# Altium PCB 2014_FDP_PCB.PcbDoc (part 1 of 4) (continued)
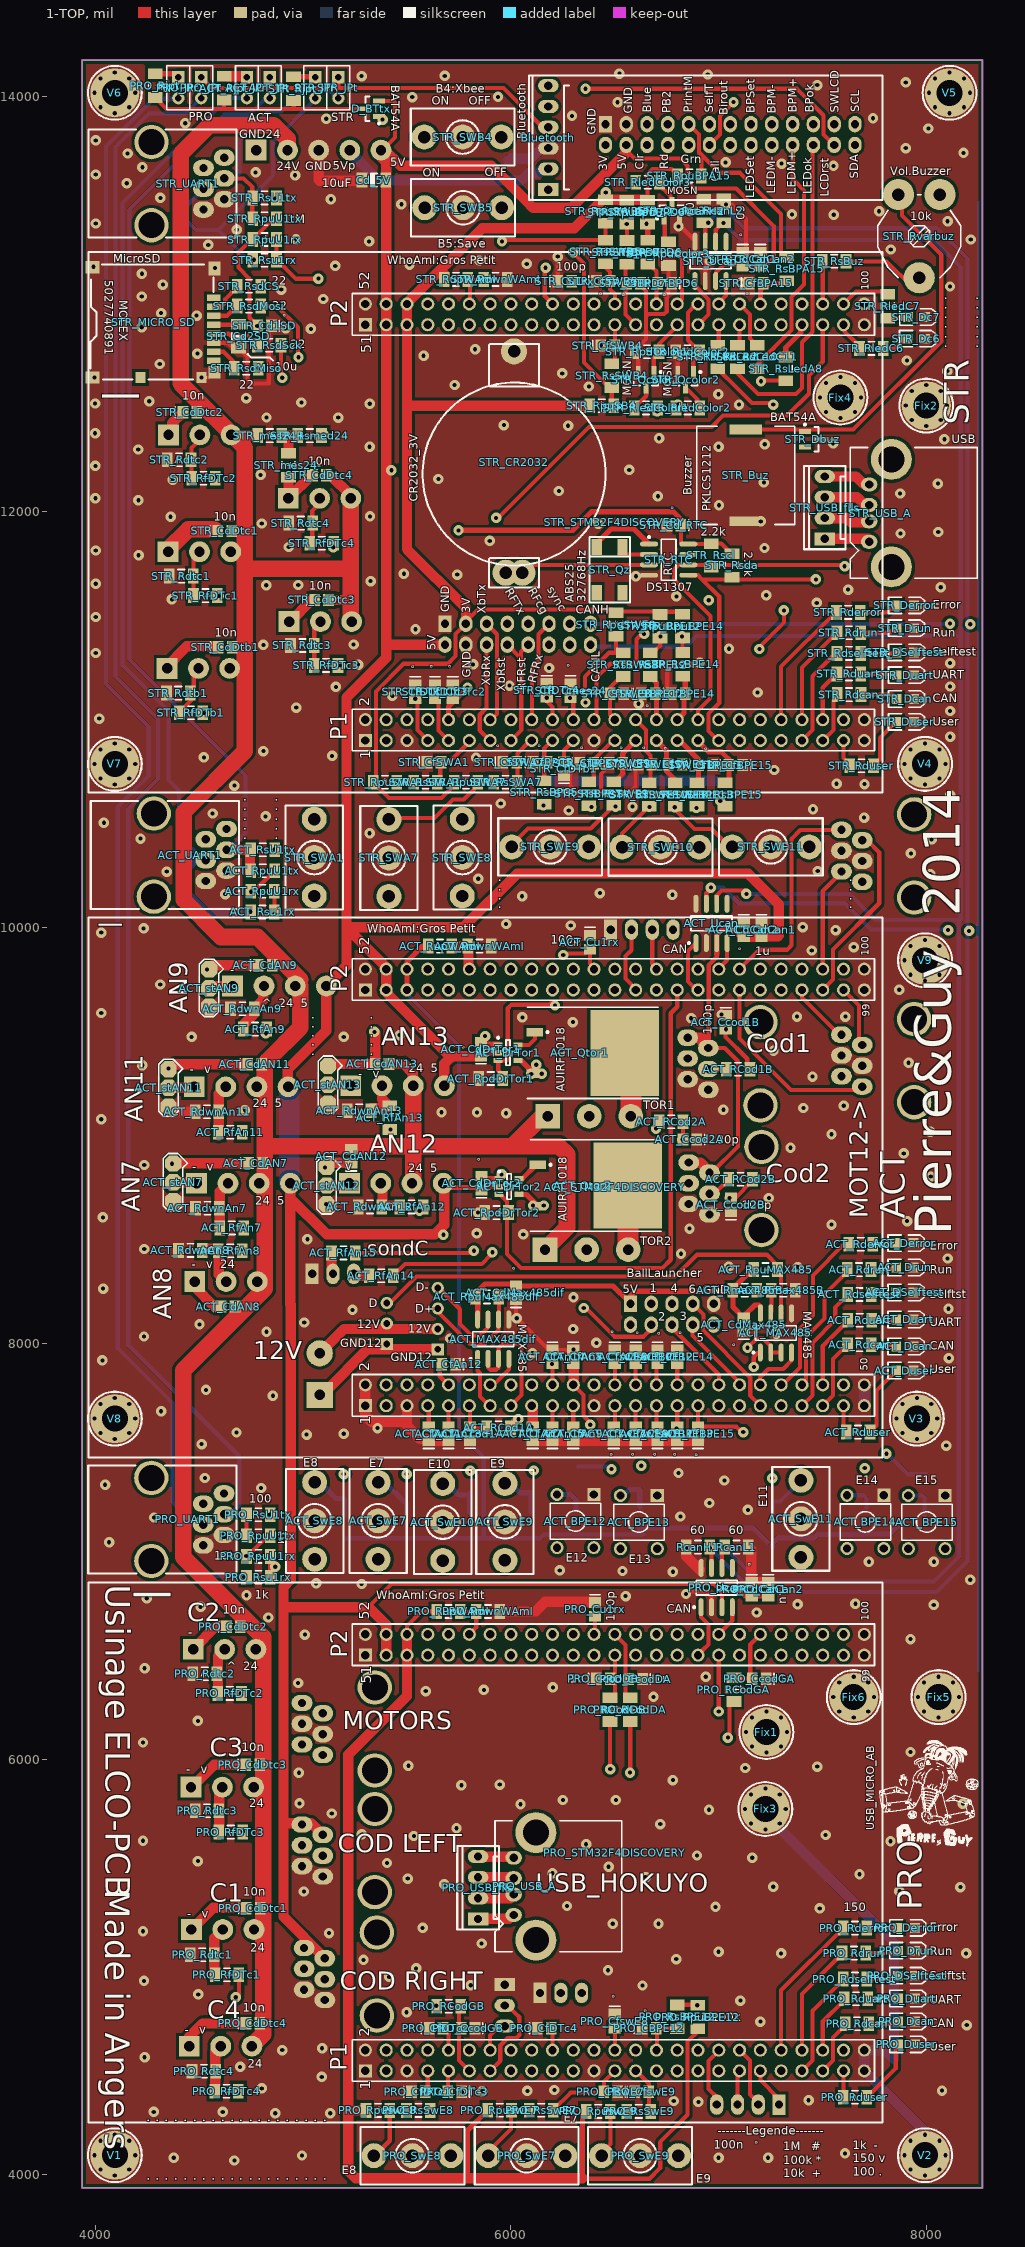
[diagram p0: 1-TOP view]
## Components (designator, comment, footprint, x,y, rotation, side; value= is the part's Value field where it differs from the comment)
12V "BORNIER2" BORNIER2 5080,7752 r90 bottom
ACT__Mot12 "RJ11_6/6" RJ11_6/6 7590,9285 r0 bottom
ACT_AN7 "4V_3.81MM" BORNIER_4V_3.81MM 4489.01,8770.01 r0 bottom
ACT_AN8 "B3V_3.81MM" BORNIER_3V_3.81MM 4480,8297 r0 bottom
ACT_AN9 "4V_3.81MM" BORNIER_4V_3.81MM 4662.01,9719.01 r0 bottom
ACT_AN11 "4V_3.81MM" BORNIER_4V_3.81MM 4478,9234 r0 bottom
ACT_AN12 "4V_3.81MM" BORNIER_4V_3.81MM 5224,8770 r0 bottom
ACT_AN13 "4V_3.81MM" BORNIER_4V_3.81MM 5230,9239 r0 bottom
ACT_AX12 "MOLEX 22-03-5035" MOLEX3_2.5MM 5403,8194 r270 bottom
ACT_BPE12 "BP?" "Switch 6x6 Vertical" 6399,7273 r270 top
ACT_BPE13 "BP?" "Switch 6x6 Vertical" 6704,7268 r270 top
ACT_BPE14 "BP?" "Switch 6x6 Vertical" 7794.01,7269.01 r270 top
ACT_BPE15 "BP?" "Switch 6x6 Vertical" 8089,7268 r270 top
ACT_Ccod1A "100pF" C0805_N 5803,7566 r90 top
ACT_Ccod1B "100pF" C0805_N 7033,9544 r270 top
ACT_Ccod2A "100pF" C0805_N 6861,8981 r180 top
ACT_Ccod2B "100pF" C0805_N 7059,8666 r90 top
ACT_CdAN7 "10nF" C0805_N 4772,8867 r0 top
ACT_CdAN8 "10nF" C0805_N 4639,8177 r0 top
ACT_CdAN9 "10nF" C0805_N 4818,9819 r0 top
ACT_CdAN11 "10nF" C0805_N 4768,9342 r0 top
ACT_CdAN12 "10nF" C0805_N 5232,8900 r90 top
ACT_CdAN13 "10nF" C0805_N 5380,9344 r0 top
ACT_CdCan1 "100nF" C0805_N 7205,9990 r270 top
ACT_CdCan2 "1µF" C0805_N 7120,9990 r270 top
ACT_CdDrTor1 "100nF" C0805_N 5856,9415 r90 top
ACT_CdDrTor2 "100nF" C0805_N 5859,8771 r90 top
ACT_CdMax485 "100nF" C0805_N 7120,8090 r90 top
ACT_CdMax485dif "100nF" C0805_N 6024,8243 r90 top
ACT_CfAn7 "var" C0805_N 6105,7565 r90 top
ACT_CfAn8 "var" C0805_N 6300,7935 r270 top
ACT_CfAn9 "var" C0805_N 6300,7565 r90 top
ACT_CfAn11 "var" C0805_N 5605,7565 r90 top
ACT_CfAn12 "var" C0805_N 5701,7899 r180 top
ACT_CfAn13 "var" C0805_N 5700,7565 r90 top
ACT_CfAn14 "var" C0805_N 6200,7935 r270 top
ACT_CfAn15 "var" C0805_N 6200,7565 r90 top
ACT_CfBPE12 "100nF" C0805_N 6705,7935 r270 top
ACT_CfBPE13 "100nF" C0805_N 6800,7565 r90 top
ACT_CfBPE14 "100nF" C0805_N 6800,7935 r270 top
ACT_CfBPE15 "100nF" C0805_N 6900,7565 r90 top
ACT_CfswE7 "100nF" C0805_N 6495,7565 r90 top
ACT_CfswE8 "100nF" C0805_N 6500,7935 r270 top
ACT_CfswE9 "100nF" C0805_N 6600,7565 r90 top
ACT_CfswE10 "100nF" C0805_N 6600,7935 r270 top
ACT_CfswE11 "100nF" C0805_N 6705,7565 r90 top
ACT_cod1 "CODEUR3" "RJ11_6/6 - DROIT" 6850,9270 r0 bottom
ACT_cod2 "CODEUR4" "RJ11_6/6 - DROIT" 6855,8670 r0 bottom
ACT_Cu1rx "100pF" C0805_N 6380,9930 r270 top
ACT_currentMot "BARRETTE3" HE14_3 5044,8334 r0 bottom
ACT_Dcan "CAN" LED_0805 7895.01,7985.01 r0 top
ACT_Derror "ERROR" LED_0805 7895.01,8482.01 r0 top
ACT_DrTor1 "MCP1416" SOT23-5AN 5986.01,9398.01 r0 top
ACT_DrTor2 "MCP1416" SOT23-5AN 5991,8754 r0 top
ACT_Drun "RUN" LED_0805 7895.01,8365.01 r0 top
ACT_DSelftest "SELFTEST" LED_0805 7895.01,8245.01 r0 top
ACT_Duart "UART" LED_0805 7895.01,8115.01 r0 top
ACT_Duser "USER" LED_0805 7895.01,7869.01 r0 top
ACT_JPr "JUMPER2" BARRETTE_2_M_D 4730,14090 r270 top
ACT_JPt "JUMPER2" BARRETTE_2_M_D 4840,14090 r270 top
ACT_MAX485 "MAX485CPA+_DIP8" SO8_N 7275,8050 r90 top
ACT_MAX485dif "MAX485CPA+_DIP8" SO8_N 5915,8020 r90 top
ACT_mot34 "RJ11_6/6" RJ11_6/6 7590,10270 r0 bottom
ACT_Qtor1 "AUIRF1018ES" D2PAK 6331.01,9397.01 r270 top
ACT_Qtor2 "AUIRF1018ES" D2PAK 6346.01,8759.01 r270 top
ACT_RCod1A "1k" R1206_N 5941,7593 r0 top
ACT_RCod1B "1k" R1206_N 7093,9318 r180 top
ACT_RCod2A "1k" R1206_N 6771,9066 r180 top
ACT_RCod2B "1k" R1206_N 7105,8789 r180 top
ACT_Rdcan "150" R1206_N 7676,7993 r0 top
ACT_Rderror "150" R1206_N 7683.01,8477.01 r0 top
ACT_Rdrun "150" R1206_N 7675,8355 r0 top
ACT_Rdselftest "150" R1206_N 7677,8235 r0 top
ACT_Rduart "150" R1206_N 7678,8111 r0 top
ACT_Rduser "150" R1206_N 7670,7573 r0 top
ACT_RdwnAn7 "var" R1206_N 4540,8650 r0 top
ACT_RdwnAn8 "var" R1206_N 4458,8447 r0 top
ACT_RdwnAn9 "var" R1206_N 4708,9609 r0 top
ACT_RdwnAn11 "var" R1206_N 4538,9114 r0 top
ACT_RdwnAn12 "var" R1206_N 5322,8656 r0 top
ACT_RdwnAn13 "var" R1206_N 5270,9119 r0 top
ACT_RdwnWAmI "0" R1206_N 5849,9911 r180 top
ACT_RfAn7 "var" R1206_N 4657,8555 r180 top
ACT_RfAn8 "var" R1206_N 4650,8446 r180 top
ACT_RfAn9 "var" R1206_N 4769,9512 r180 top
ACT_RfAn11 "var" R1206_N 4650,9015 r180 top
ACT_RfAn12 "var" R1206_N 5522,8656 r180 top
ACT_RfAn13 "var" R1206_N 5417,9086 r90 top
ACT_RfAn14 "var" R1206_N 5376,8325 r180 top
ACT_RfAn15 "var" R1206_N 5194,8435 r180 top
ACT_RFU "BARRETTE4" HE14_4 6480,9990 r0 bottom
ACT_Rjpt "100" R1206_N 4621,14038 r270 top
ACT_Rmax485B+ "10k" R1206_N 7125,8255 r180 top
ACT_Rmax485B- "10k" R1206_N 7310,8255 r180 top
ACT_RpdDrTor1 "10k_1%_75V" R1206_N 5903,9274 r0 top
ACT_RpdDrTor2 "10k_1%_75V" R1206_N 5931,8629 r0 top
ACT_RpuBPE12 "100K" R1206_N 6322,7140 r270 bottom
ACT_RpuBPE13 "100K" R1206_N 6620,7155 r270 bottom
ACT_RpuBPE14 "100K" R1206_N 7709,7148 r270 bottom
ACT_RpuBPE15 "100K" R1206_N 7943,7159 r180 bottom
ACT_RpuMAX485 "10k" R1206_N 7225,8355 r180 top
ACT_RpuMax485dif "10k" R1206_N 5885,8223 r180 top
ACT_RpuswE7 "100K" R1206_N 5497,7116 r270 bottom
ACT_RpuswE8 "100K" R1206_N 5200,7111 r270 bottom
ACT_RpuswE9 "100K" R1206_N 6097,7133 r270 bottom
ACT_RpuswE10 "100K" R1206_N 5802,7128 r270 bottom
ACT_RpuswE11 "100K" R1206_N 7258,7096 r270 bottom
ACT_RpuU1rx "10k" R1206_N 4805,10175 r180 top
ACT_RpuU1tx "1M" R1206_N 4806,10274 r0 top
ACT_RsBPE12 "1K" R1206_N 6322,7350 r90 bottom
ACT_RsBPE13 "1K" R1206_N 6625,7355 r90 bottom
ACT_RsBPE14 "1K" R1206_N 7709,7343 r90 bottom
ACT_RsBPE15 "1K" R1206_N 7999,7313 r90 bottom
ACT_RsSwE7 "1K" R1206_N 5502,7311 r90 bottom
ACT_RsSwE8 "1K" R1206_N 5200,7311 r90 bottom
ACT_RsSwE9 "1K" R1206_N 6102,7338 r90 bottom
ACT_RsSwE10 "1K" R1206_N 5802,7328 r90 bottom
ACT_RsSwE11 "1K" R1206_N 7263,7296 r90 bottom
ACT_Rsu1rx "1k" R1206_N 4805,10075 r180 top
ACT_RsU1tx "100" R1206_N 4806,10374 r0 top
ACT_RupWAmI "0" R1206_N 5659,9911 r180 top
ACT_RX24 "MOLEX 22-03-5045" MOLEX4_2.5MM 5648,8266 r270 bottom
ACT_stAN7 "strap" "Goutte Strap_3" 4375,8865 r270 top
ACT_stAN9 "strap" "Goutte Strap_3" 4548,9799 r270 top
ACT_stAN11 "strap" "Goutte Strap_3" 4353,9319 r270 top
ACT_stAN12 "strap" "Goutte Strap_3" 5113,8849 r270 top
ACT_stAN13 "strap" "Goutte Strap_3" 5120,9334 r270 top
ACT_STM32F4DISCOVERY "STM32F4DISCOVERY" STM32_F4DISCOVERY 5300,7700 r90 top
ACT_SwE7 "25436NAH" "SW_UNIPOL_DROIT - APEM 18235" 5501,7396 r180 top
ACT_SwE8 "25436NAH" "SW_UNIPOL_DROIT - APEM 18235" 5196,7396 r180 top
ACT_SwE9 "25436NAH" "SW_UNIPOL_DROIT - APEM 18235" 6111,7391 r180 top
ACT_SwE10 "25436NAH" "SW_UNIPOL_DROIT - APEM 18235" 5812.01,7390.01 r180 top
ACT_SwE11 "25436NAH" "SW_UNIPOL_DROIT - APEM 18235" 7535,7406 r180 top
ACT_tor1 "TOR2" BORNIER3_FEM_COUDE 6177.01,9093.01 r0 bottom
ACT_tor2 "TOR2" BORNIER3_FEM_COUDE 6164,8451 r0 bottom
ACT_UART1 "RJ11_6/6" RJ11_6/6 4632.01,10274.01 r180 top
ACT_Ucan "MCP2551-I/SN" SO8_N 6965,10020 r90 top
Alim "BORNIER_5V_3.81MM" BORNIER_5V_3.81MM 4775,13740 r0 bottom
BallLauncher "HE10/10_MALE_DROIT_BAS_PROFIL" HE10/10_M_D_BP 6575,8090 r0 bottom
Bluetooth "MHDR1X6" HE14_6 6180,13550 r90 top
Cd_5V "10uF" C1206_N 5341,13596 r0 top
Cd_BT_1 "10uF" C1206_N 5988,13631 r270 bottom
Cd_BT_2 "100nF" C0805_N 6080,13665 r270 bottom
COMRF "BARRETTE_8 CONTACTS_2 RANGEES_MALE_DROITE" "HE10/16_M_D_B P" 5683,11361 r0 bottom
D_BTtx "BAT54A" SOT23-3N 5328,13939 r180 top
Fix1 "Pad_M3" "M3x6mm Torx" 7229,6130 r0 top
Fix2 "Pad_M3" "M3x6mm Torx" 7998,12511 r0 top
Fix3 "Pad_M3" "M3x6mm Torx" 7224,5760 r0 top
Fix4 "Pad_M3" "M3x6mm Torx" 7585,12550 r0 top
Fix5 "Pad_M3" "M3x6mm Torx" 8057,6298 r0 top
Fix6 "Pad_M3" "M3x6mm Torx" 7649,6298 r0 top
IHM "BARRETTE13X2" HE10/26_M_D_BP 6455,13765 r0 bottom
PRO_CBPE12 "100nF" C0805_N 6665,4705 r0 top
PRO_CcodDA "1nF" C0805_N 6600,6385 r180 top
PRO_CcodDB "1nF" C0805_N 6444,6386 r0 top
PRO_CcodGA "1nF" C0805_N 7195,6387 r180 top
PRO_CcodGB "1nF" C0805_N 5794,4705 r180 top
PRO_CdCan1 "100nF" C0805_N 7158,6816 r270 top
PRO_CdCan2 "1µF" C0805_N 7238,6816 r270 top
PRO_CdDtc1 "10nF" C0805_N 4761,5283 r0 top
PRO_CdDtc2 "10nF" C0805_N 4665,6636 r0 top
PRO_CdDtc3 "10nF" C0805_N 4758,5973 r0 top
PRO_CdDtc4 "10nF" C0805_N 4759,4729 r0 top
PRO_CfDTc1 "100nF" C0805_N 5555,4400 r0 top
PRO_CfDTc2 "100nF" C0805_N 5640,4705 r0 top
PRO_CfDTc3 "100nF" C0805_N 5730,4400 r180 top
PRO_CfDTc4 "100nF" C0805_N 6160,4705 r0 top
PRO_CfswE7 "100nF" C0805_N 6480,4400 r180 top
PRO_CfswE8 "100nF" C0805_N 6500,4740 r270 top
PRO_CfswE9 "100nF" C0805_N 6630,4400 r0 top
PRO_codDroite "CODEUR2" "RJ11_6/6 - DROIT" 5005,4891 r0 bottom
PRO_codGauche "CODEUR1" "RJ11_6/6 - DROIT" 4995,5485 r0 bottom
PRO_Cu1rx "100pF" C0805_N 6405,6720 r270 top
PRO_currentMot "BARRETTE3" HE14_3 6140,4875 r0 bottom
PRO_Dcan "CAN" LED_0805 7903.01,4738.01 r0 top
PRO_Derror "ERROR" LED_0805 7903.01,5188.01 r0 top
PRO_Drun "RUN" LED_0805 7903.01,5078.01 r0 top
PRO_DSelftest "SELFTEST" LED_0805 7903.01,4958.01 r0 top
PRO_DTc1 "B3V_3.81MM" BORNIER_3V_3.81MM 4464.01,5180.01 r0 bottom
PRO_DTc2 "B3V_3.81MM" BORNIER_3V_3.81MM 4473.01,6528.01 r0 bottom
PRO_DTc3 "B3V_3.81MM" BORNIER_3V_3.81MM 4462.01,5865.01 r0 bottom
PRO_DTc4 "B3V_3.81MM" BORNIER_3V_3.81MM 4454.01,4619.01 r0 bottom
PRO_Duart "UART" LED_0805 7903.01,4848.01 r0 top
PRO_Duser "USER" LED_0805 7903.01,4628.01 r0 top
PRO_gyro "BARRETTE4" HE14_4 7290.01,4338.01 r180 bottom
PRO_JPr "JUMPER2" BARRETTE_2_M_D 4400,14090 r270 top
PRO_JPt "JUMPER2" BARRETTE_2_M_D 4510,14090 r270 top
PRO_Motors "RJ12" RJ11_6/6 4995,6070 r0 bottom
PRO_RCodDA "10k" R1206_N 6574,6238 r270 top
PRO_RCodDB "10k" R1206_N 6477,6238 r270 top
PRO_RCodGA "10k" R1206_N 7073,6334 r270 top
PRO_RCodGB "10k" R1206_N 5701,4811 r180 top
PRO_Rdcan "150" R1206_N 7665.01,4727.01 r0 top
PRO_Rderror "150" R1206_N 7655.01,5187.01 r0 top
PRO_Rdrun "150" R1206_N 7650.01,5067.01 r0 top
PRO_Rdselftest "150" R1206_N 7655.01,4942.01 r0 top
PRO_Rdtc1 "150" R1206_N 4515,5059 r0 top
PRO_Rdtc2 "150" R1206_N 4527,6411 r0 top
PRO_Rdtc3 "150" R1206_N 4538,5751 r0 top
PRO_Rdtc4 "150" R1206_N 4523,4498 r0 top
PRO_Rduart "150" R1206_N 7660.01,4847.01 r0 top
PRO_Rduser "150" R1206_N 7655,4373 r0 top
PRO_RdwnWAmI "0" R1206_N 5890,6710 r180 top
PRO_RfDTc1 "10k" R1206_N 4634,4962 r0 top
PRO_RfDTc2 "10k" R1206_N 4647,6316 r0 top
PRO_RfDTc3 "10k" R1206_N 4652,5649 r0 top
PRO_RfDTc4 "10k" R1206_N 4632,4402 r0 top
PRO_Rjpt "100" R1206_N 4289,14050 r270 top
PRO_RpuBPE12 "100k" R1206_N 6899,4759 r270 top
PRO_RpuswE7 "100K" R1206_N 5946,4311 r180 top
PRO_RpuswE8 "100K" R1206_N 5360,4310 r180 top
PRO_RpuswE9 "100K" R1206_N 6420,4305 r180 top
PRO_RpuU1rx "10k" R1206_N 4785,6975 r180 top
PRO_RpuU1tx "1M" R1206_N 4785,7075 r0 top
PRO_RsBPE12 "1K" R1206_N 6800,4760 r270 top
PRO_RsSwE7 "1K" R1206_N 6146,4311 r0 top
PRO_RsSwE8 "1K" R1206_N 5555,4310 r0 top
PRO_RsSwE9 "1K" R1206_N 6615,4305 r0 top
PRO_Rsu1rx "1k" R1206_N 4785,6875 r180 top
PRO_RsU1tx "100" R1206_N 4785,7175 r0 top
PRO_RupWAmI "0" R1206_N 5700,6710 r180 top
PRO_STM32F4DISCOVERY "STM32F4DISCOVERY" STM32_F4DISCOVERY 5300,4500 r90 top
PRO_SwE7 "25436NAH" "SW_UNIPOL_DROIT - APEM 18235" 5826,4232 r270 top
PRO_SwE8 "25436NAH" "SW_UNIPOL_DROIT - APEM 18235" 5276,4232 r270 top
PRO_SwE9 "25436NAH" "SW_UNIPOL_DROIT - APEM 18235" 6371,4232 r270 top
PRO_UART1 "RJ11_6/6" RJ11_6/6 4620.01,7078.01 r180 top
PRO_UART2 "BARRETTE3" HE14_3 5970,4915 r270 bottom
PRO_Ucan "MCP2551-I/SN" SO8_N 6990,6825 r90 top
PRO_USB_A "USB_A_COUDEE" USB_A_C 6120.01,5129.01 r90 top
PRO_USB_fils "BARRETTE4" HE14_4 5842,5231 r90 top
RcanH1 "60" R1206_N 6900,7020 r0 top
RcanH2 "60" R1206_N 6928,13447 r90 top
RcanL1 "60" R1206_N 7085,7020 r0 top
RcanL2 "60" R1206_N 7024,13448 r90 top
STR_Buz "Buzzer_Murata_PKLCS1212E4001-R1" "Buzzer_Murata PKLCS1212" 7130,12175 r270 top
STR_Cd1SD "100nF" C0805_N 4815,12895 r180 top
STR_Cd2SD "10uF" C1206_N 4690,12845 r90 top
STR_Cd_RTC "100nF" C0805_N 6784,11935 r180 top
STR_CdCan1 "100nF" C0805_N 7115,13215 r270 top
STR_CdCan2 "1µF" C0805_N 7200,13215 r270 top
STR_CdDtb1 "10nF" C0805_N 4626,11348 r0 top
STR_CdDtc1 "10nF" C0805_N 4624,11908 r0 top
STR_CdDtc2 "10nF" C0805_N 4456,12479 r0 top
STR_CdDtc3 "10nF" C0805_N 5089,11576 r0 top
STR_CdDtc4 "10nF" C0805_N 5079,12176 r0 top
STR_CfBPA15 "100nF" C0805_N 7180,13100 r0 top
STR_CfBPC5 "100nF" C0805_N 6140,10795 r0 top
STR_CfBPD6 "100nF" C0805_N 6740,13100 r180 top
STR_CfBPD7 "100nF" C0805_N 6590,13100 r180 top
STR_CfBPE7 "100nF" C0805_N 6365,10790 r0 top
STR_CfBPE12 "100nF" C0805_N 6660,11125 r0 top
STR_CfBPE13 "100nF" C0805_N 6937,10782 r180 top
STR_CfBPE14 "100nF" C0805_N 6805,11125 r0 top
STR_CfBPE15 "100nF" C0805_N 7082,10782 r180 top
STR_CfDTb1 "100nF" C0805_N 6255,10765 r90 top
STR_CfDTc1 "100nF" C0805_N 5540,11135 r270 top
STR_CfDTc2 "100nF" C0805_N 5720,11135 r270 top
STR_CfDTc3 "100nF" C0805_N 5635,11135 r270 top
STR_CfDTc4 "100nF" C0805_N 6172,11141 r270 top
STR_CfSWA1 "100nF" C0805_N 5630,10795 r0 top
STR_CfSWA7 "100nF" C0805_N 5995,10795 r0 top
STR_CfSWB4 "100nF" C0805_N 6465,12800 r0 top
STR_CfSWB5 "100nF" C0805_N 6445,13110 r0 top
STR_CfSWE8 "100nF" C0805_N 6510,11125 r180 top
STR_CfSWE9 "100nF" C0805_N 6505,10790 r0 top
STR_CfSWE10 "100nF" C0805_N 6645,10785 r0 top
STR_CfSWE11 "100nF" C0805_N 6790,10785 r180 top
STR_Cmes24 "100nF" C0805_N 6287,11140 r270 top
STR_CR2032 "battery" Pile_boutton 6015,12772 r270 top
STR_Cu1rx "100pF" C0805_N 6259,13109 r0 top
STR_Dbuz "BAT54A" SOT23-3N 7452,12349 r0 top
STR_Dc6 "??" LED_0805 7950,12833 r0 top
STR_Dc7 "??" LED_0805 7951,12937 r0 top
STR_Dcan "CAN" LED_0805 7897,11100 r0 top
STR_Derror "ERROR" LED_0805 7897,11550 r0 top
STR_Drun "RUN" LED_0805 7897,11440 r0 top
STR_DSelftest "SELFTEST" LED_0805 7897,11324 r0 top
STR_DTb1 "B3V_3.81MM" BORNIER_3V_3.81MM 4347,11247 r0 bottom
STR_DTc1 "B3V_3.81MM" BORNIER_3V_3.81MM 4352,11808 r0 bottom
STR_DTc2 "B3V_3.81MM" BORNIER_3V_3.81MM 4354.01,12370.01 r0 bottom
STR_DTc3 "B3V_3.81MM" BORNIER_3V_3.81MM 4934,11472 r0 bottom
STR_DTc4 "B3V_3.81MM" BORNIER_3V_3.81MM 4930,12065 r0 bottom
STR_Duart "UART" LED_0805 7897,11214 r0 top
STR_Duser "USER" LED_0805 7897,10990 r0 top
STR_JPr "JUMPER2" BARRETTE_2_M_D 5059,14090 r270 top
STR_JPt "JUMPER2" BARRETTE_2_M_D 5170,14090 r270 top
STR_mes24+ "100k" R1206_N 4840,12367 r180 top
STR_mes24- "10K" R1206_N 4930,12224 r90 top
STR_MICRO_SD "MOLEX_MICRO_SD_HEADER_5027740891" MOLEX_MICRO_SD_HEADER_5027740891 4570,13030 r90 top
STR_Qcolor1 "MOSN" SOT23-3N 6650,12635 r270 top
STR_Qcolor2 "MOSN" SOT23-3N 6840,12635 r270 top
STR_Qcolor3 "MOSN" SOT23-3N 6774,13448 r90 top
STR_Qz "Quartz_ABS25" Quartz_ABS25 6412,11831 r270 top
STR_Rdcan "150" R1206_N 7627,11121 r0 top
STR_Rderror "150" R1206_N 7623,11516 r0 top
STR_Rdrun "150" R1206_N 7626,11418 r0 top
STR_Rdselftest "150" R1206_N 7626,11319 r0 top
STR_Rdtb1 "150" R1206_N 4400,11128 r0 top
STR_Rdtc1 "150" R1206_N 4414,11691 r0 top
STR_Rdtc2 "150" R1206_N 4404,12250 r0 top
STR_Rdtc3 "150" R1206_N 4997,11357 r0 top
STR_Rdtc4 "150" R1206_N 4989,11946 r0 top
STR_Rduart "150" R1206_N 7626,11220 r0 top
STR_Rduser "150" R1206_N 7687,10778 r0 top
STR_RdwnWAmI "0" R1206_N 5926,13118 r180 top
STR_RfDTb1 "10k" R1206_N 4461,11034 r0 top
STR_RfDTc1 "10k" R1206_N 4530,11597 r0 top
STR_RfDTc2 "10k" R1206_N 4521,12161 r0 top
STR_RfDTc3 "10k" R1206_N 5111,11261 r0 top
STR_RfDTc4 "10k" R1206_N 5090,11849 r0 top
STR_Rjpt "100" R1206_N 4954,14036 r270 top
STR_RledC6 "150" R1206_N 7734,12786 r0 top
STR_RledC7 "150" R1206_N 7813,12989 r270 top
STR_RledColor1 "100k" R1206_N 6650,12500 r0 top
STR_RledColor2 "100k" R1206_N 6851,12500 r180 top
STR_RledColor3 "100k" R1206_N 6658,13586 r180 top
STR_RpdColor1 "100K" R1206_N 6655,12770 r0 top
STR_RpdColor2 "100K" R1206_N 6850,12770 r0 top
STR_RpdColor3 "100K" R1206_N 6758,13242 r90 top
STR_RpuBPA15 "100k" R1206_N 6859,13616 r180 top
STR_RpuBPC5 "100k" R1206_N 6155,10650 r90 bottom
STR_RpuBPD6 "100k" R1206_N 6657,13442 r90 top
STR_RpuBPD7 "100k" R1206_N 6557,13442 r90 top
STR_RpuBPE7 "100k" R1206_N 6380,10640 r90 bottom
STR_RpuBPE12 "100k" R1206_N 6717,11449 r90 top
STR_RpuBPE13 "100k" R1206_N 6891,10640 r90 bottom
STR_RpuBPE14 "100k" R1206_N 6825,11450 r90 top
STR_RpuBPE15 "100k" R1206_N 6995,10639 r90 bottom
STR_RpuSB4 "100K" R1206_N 6437,12510 r180 top
STR_RpuSWA1 "100K" R1206_N 5394,10699 r180 top
STR_RpuSWA7 "100K" R1206_N 5784,10699 r180 top
STR_RpuSWB5 "100K" R1206_N 6455,13445 r90 top
STR_RpuSWE8 "100K" R1206_N 6506,11458 r90 top
STR_RpuSWE9 "100K" R1206_N 6500,10640 r90 bottom
STR_RpuSWE10 "100K" R1206_N 6665,10640 r90 bottom
STR_RpuSWE11 "100K" R1206_N 6785,10635 r90 bottom
STR_RpuU1rx "10k" R1206_N 4815,13310 r180 top
STR_RpuU1tx "1M" R1206_N 4815,13410 r0 top
STR_RsBPA15 "1K" R1206_N 7327,13169 r270 top
STR_RsBPC5 "1K" R1206_N 6160,10650 r90 top
STR_RsBPD6 "1K" R1206_N 6658,13249 r270 top
STR_RsBPD7 "1K" R1206_N 6558,13248 r270 top
STR_RsBPE7 "1K" R1206_N 6375,10644 r90 top
STR_RsBPE12 "1K" R1206_N 6670,11265 r270 top
STR_RsBPE13 "1K" R1206_N 6895,10640 r90 top
STR_RsBPE14 "1K" R1206_N 6826,11266 r270 top
STR_RsBPE15 "1K" R1206_N 7030,10640 r90 top
STR_RsBuz "1k" R1206_N 7555,13205 r0 top
STR_Rscl "2.2k" R1206_N 6964,11790 r90 top
STR_Rsda "2.2k" R1206_N 7063,11742 r90 top
STR_RsdCS "22" R1206_N 4740,13085 r180 top
STR_RsdMiso "22" R1206_N 4727,12691 r180 top
STR_RsdMosi "22" R1206_N 4740,12990 r180 top
STR_RsdSck "22" R1206_N 4837,12802 r180 top
STR_RsLedA8 "100" R1206_N 7322,12688 r270 top
STR_RsLedC10 "100" R1206_N 7090,12745 r270 top
STR_RsLedC11 "100" R1206_N 7185,12745 r270 top
STR_RsLedC12 "100" R1206_N 6995,12745 r270 top
STR_Rsmed24 "10k" R1206_N 5032,12367 r0 top
STR_RsSWA1 "1K" R1206_N 5589,10699 r0 top
STR_RsSWA7 "1K" R1206_N 5974,10699 r0 top
STR_RsSWB4 "1K" R1206_N 6485,12655 r90 top
STR_RsSWB5 "1K" R1206_N 6455,13250 r270 top
STR_RsSWE8 "1K" R1206_N 6540,11265 r270 top
STR_RsSWE9 "1K" R1206_N 6495,10645 r90 top
STR_RsSWE10 "1K" R1206_N 6665,10640 r90 top
STR_RsSWE11 "1K" R1206_N 6790,10640 r90 top
STR_Rsu1rx "1k" R1206_N 4815,13210 r180 top
STR_RsU1tx "100" R1206_N 4815,13510 r0 top
STR_RTC "DS1307" SO8_N 6759,11770 r0 top
STR_RupWAmI "0" R1206_N 5736,13118 r180 top
STR_Rvarbuz "RESISTANCE_VARIABLE_TRAVERSANTE : PT10LV" TRIMMER_MONOTOUR_PT10LV 8064,13526 r180 top
STR_STM32F4DISCOVERY "STM32F4DISCOVERY" STM32_F4DISCOVERY 5300,10900 r90 top
STR_SWA1 "25436NAH" "SW_UNIPOL_DROIT - APEM 18235" 5194,10587 r180 top
STR_SWA7 "25436NAH" "SW_UNIPOL_DROIT - APEM 18235" 5553,10585 r180 top (schematic designator SW2)
STR_SWB4 "25436NAH" "SW_UNIPOL_DROIT - APEM 18235" 6018,13663 r90 top
STR_SWB5 "25436NAH" "SW_UNIPOL_DROIT - APEM 18235" 6020,13323 r90 top
STR_SWE8 "25436NAH" "SW_UNIPOL_DROIT - APEM 18235" 5906,10587 r180 top
STR_SWE9 "25436NAH" "SW_UNIPOL_DROIT - APEM 18235" 5939,10528 r270 top
STR_SWE10 "25436NAH" "SW_UNIPOL_DROIT - APEM 18235" 6470,10527 r270 top
STR_SWE11 "25436NAH" "SW_UNIPOL_DROIT - APEM 18235" 7000,10528 r270 top
STR_UART1 "RJ11_6/6" RJ11_6/6 4621,13504 r180 top
STR_Ucan "MCP2551-I/SN" SO8_N 6960,13205 r90 top
STR_USB_A "USB_A_COUDEE" USB_A_C 7830,11735 r90 top
STR_USB_fils "BARRETTE4" HE14_4 7510,11870 r90 top
V1 "Pad_M3" "M3x6mm Torx" 4094.49,4094.49 r0 top locked
V2 "Pad_M3" "M3x6mm Torx" 7992.13,4094.49 r0 top locked
V3 "Pad_M3" "M3x6mm Torx" 7952.76,7637.8 r0 top locked
V4 "Pad_M3" "M3x6mm Torx" 7992.13,10787.4 r0 top locked
V5 "Pad_M3" "M3x6mm Torx" 8110.24,14015.75 r0 top locked
V6 "Pad_M3" "M3x6mm Torx" 4094.49,14015.75 r0 top locked
V7 "Pad_M3" "M3x6mm Torx" 4094.49,10787.4 r0 top locked
V8 "Pad_M3" "M3x6mm Torx" 4094.49,7637.8 r0 top locked
V9 "Pad_M3" "M3x6mm Torx" 7992.13,9842.52 r0 top

## Footprints (in the part's own frame and the unit in brackets; to place one, negate y for a bottom-side part, rotate by r counter-clockwise, add the part's x,y. Pads: shape width x height; smd on the part's side, far side on the other; paste and mask are expansions set on the pad)
BARRETTE_2_M_D [mm] "BARRETTE 2 CONTACTS ; 1 RANGEE ; DROITE ; MALE ; ESPACEMENT BROCHES = 2.54 mm"
  rect 1.5x1.5 hole 0.813: 1(0,0)
  round 1.5 hole 0.813: 2(2.54,0)
  silkscreen extent -1.4,-1.4 3.94,1.4, body extent -1.3,-1.2 3.78,1.3, height 8.55
BORNIER2 [mm] "Connector; Header; 2 Position; screw terminal blocks, Pin Spacing=5.08mm"
  rect 3.2x3.2 hole 1.27: 1(0,0)
  round 3.2 hole 1.27: 2(5.08,0)
  silkscreen extent -2.54,-3.81 7.62,3.81, body extent -3.57,-4.8 8.59,3.8, height 12
BORNIER3_FEM_COUDE [mm] "Connector; Header; 3 Position; Right Angle; Female; Pin Spacing=5.08mm Green"
  rect 3x3 hole 1.27: 1(0,0)
  round 3 hole 1.27: 2(5.08,0) 3(10.16,0)
  silkscreen extent -3.56,-10.03 13.72,2.03
BORNIER_3V_3.81MM [mil]
  rect 100x100 hole 50: 1(-1,0)
  round 100 hole 50: 2(150,0) 3(300,0)
  silkscreen extent -86,-118 391,165, body extent -102,-118 402,167, height 363
BORNIER_4V_3.81MM [mil]
  rect 100x100 hole 50: 1(-1,0)
  round 100 hole 50: 2(150,0) 3(300,0) 4(450,0)
  silkscreen extent -86,-118 550,165, body extent -102,-118 552,167, height 362
BORNIER_5V_3.81MM [mil]
  rect 100x100 hole 50: 1(-1,0)
  round 100 hole 50: 2(150,0) 3(300,0) 4(450,0) 5(600,0)
  silkscreen extent -86,-118 684,166, body extent -102,-117 702,168, height 363
"Buzzer_Murata PKLCS1212" [mm] "Buzzer_SMD_12x12mm Murata PKLCS1212"
  rect 1.2x4 smd: 1(-5.6,0) 2(5.6,0)
  silkscreen extent -6,-6 6,6, body extent -6.3,-6.1 6.3,6.1, height 3
C0805_N [mm] "Chip Capacitor, Body 2.0x1.3mm, IPC Medium Density"
  rect 1.3x1.5 smd: 1(-0.85,0) 2(0.85,0)
  silkscreen extent -1.8,-0.65 -1.8,0.65, body extent -0.99,-0.63 1.01,0.63, height 0.8
C1206_N [mm] "Chip Capacitor, Body 3.2x1.6mm, IPC Medium Density"
  rect 1.3x1.8 smd: 1(-1.45,0) 2(1.45,0)
  silkscreen extent -0.4,-0.8 0.4,0.8, body extent -1.57,-0.81 1.63,0.79, height 1.02
D2PAK [mm] "D2-PAK/TO-263-AB; 3 Leads (1 Cropped); Body 15.5 (inc. leads) x 10.5 mm (LxW max)"
  rect 1.05x2 smd: 1(-2.54,-5.5) 3(2.54,-5.5)
  rect 10.55x8.4 smd: 2(0,5.5)
  silkscreen extent -5.58,-6.4 5.58,9.6
"Goutte Strap_3" [mm] "3 Pads CMS Goutte Strap"
  oct 2x2 smd: 1(0,0) 2(2.286,0) 3(4.572,0)
  silkscreen extent -1.22,-1.19 5.77,1.75
HE10/10_M_D_BP [mm] "HE10 ; 10 CONTACTS ; MALE ;  DROIT; BAS PROFIL ; ESPACEMENTS BROCHES = 2.54 mm"
  rect 1.63x2 hole 1.016: 1(0,-2.54)
  oval 1.63x2 hole 1.016: 2(0,0) 3(2.54,-2.54) 4(2.54,0) 5(5.08,-2.54) 6(5.08,0) 7(7.62,-2.54) 8(7.62,0) 9(10.16,-2.54) 10(10.16,0)
  silkscreen extent -5.16,-5.95 15.36,3.78, body extent -5,-5.8 15.2,3.6, height 8.8
"HE10/16_M_D_B P" [mm] "HE10 ; 16 CONTACTS ; MALE ;  DROIT; BAS PROFIL ; ESPACEMENTS BROCHES = 2.54 mm"
  rect 1.63x2 hole 1.016: 1(0,-2.54)
  oval 1.63x2 hole 1.016: 2(0,0) 3(2.54,-2.54) 4(2.54,0) 5(5.08,-2.54) 6(5.08,0) 7(7.62,-2.54) 8(7.62,0) 9(10.16,-2.54) 10(10.16,0) 11(12.7,-2.54) 12(12.7,0) 13(15.24,-2.54) 14(15.24,0) 15(17.78,-2.54) 16(17.78,0)
  silkscreen extent -5.26,-6 22.86,3.78, body extent -5.1,-5.8 22.72,3.6, height 8.8
HE10/26_M_D_BP [mm] "HE10 ; 26 CONTACTS ; MALE ; DROIT; BAS PROFIL ; ESPACEMENTS BROCHES = 2.54 mm"
  rect 1.63x2 hole 1.016: 1(0,-2.54)
  oval 1.63x2 hole 1.016: 2(0,0) 3(2.54,-2.54) 4(2.54,0) 5(5.08,-2.54) 6(5.08,0) 7(7.62,-2.54) 8(7.62,0) 9(10.16,-2.54) 10(10.16,0) 11(12.7,-2.54) 12(12.7,0) 13(15.24,-2.54) 14(15.24,0) 15(17.78,-2.54) 16(17.78,0) 17(20.32,-2.54) 18(20.32,0) 19(22.86,-2.54) 20(22.86,0) 21(25.4,-2.54) 22(25.4,0) 23(27.94,-2.54) 24(27.94,0) 25(30.48,-2.54) 26(30.48,0)
  silkscreen extent -5.08,-6.07 35.72,3.64, body extent -4.96,-5.9 35.56,3.5, height 8.8
HE14_3 [mm] "Connector; HE14; 3 Position; Pin Spacing=2.54mm"
  rect 1.6x2.5 hole 1.016: 1(0,0)
  oval 1.6x2.5 hole 1.016: 2(2.54,0) 3(5.08,0)
  silkscreen extent -1.27,-2.54 6.35,2.54, body extent -1.27,-2.51 6.35,2.49, height 11.42
HE14_4 [mm] "Connector; HE14; 4 Position; Pin Spacing=2.54mm"
  rect 1.6x2.5 hole 1.016: 1(0,0)
  oval 1.6x2.5 hole 1.016: 2(2.54,0) 3(5.08,0) 4(7.62,0)
  silkscreen extent -1.27,-2.54 8.89,2.54, body extent -1.3,-2.45 8.86,2.55, height 11.42
HE14_6 [mm] "Connector; HE14; 6 Position; Pin Spacing=2.54mm"
  rect 1.6x2.5 hole 1.016: 1(0,0)
  oval 1.6x2.5 hole 1.016: 2(2.54,0) 3(5.08,0) 4(7.62,0) 5(10.16,0) 6(12.7,0)
  silkscreen extent -1.27,-40.82 13.97,2.39
LED_0805 [mm] "SM LED; 2 Flat Leads"
  rect 1.2x1.2 smd: 1(-1.05,0) 2(1.05,0)
  silkscreen extent -2.05,-1 2.35,1, body extent -1.05,-0.64 1.06,0.64, height 1.2
"M3x6mm Torx" [mm] "Vis M3 X 6mm _TORX_Tête 6mm"
  round 0.8 hole 0.508: 1(-2.5,0) 1(-1.768,-1.768) 1(-1.768,1.768) 1(0,-2.5) 1(0,2.5) 1(1.768,-1.768) 1(1.768,1.768) 1(2.5,0)
  round 6 hole 3.175: 1(0,0)
  silkscreen extent -3.29,-3.28 3.29,3.28, body extent -2.84,-2.85 2.86,2.85, height 1.67
MOLEX3_2.5MM [mm] "Ref Molex : 22-03-5035 - 3 voies - 2.5mm"
  rect 1.5x1.5 hole 0.813: 1(5,0)
  round 1.5 hole 0.813: 2(2.5,0) 3(0,0)
  silkscreen extent -2.45,-3.1 7.49,1.8, body extent -2.46,-3.05 7.44,1.85, height 5.92
MOLEX4_2.5MM [mm] "Ref Molex : 22-03-5045 - 4 voies - 2.5mm"
  rect 1.5x1.5 hole 0.813: 1(7.5,0)
  round 1.5 hole 0.813: 2(5,0) 3(2.5,0) 4(0,0)
  silkscreen extent -2.45,-3.1 10,1.8, body extent -2.44,-3.07 9.96,1.83, height 5.92
MOLEX_MICRO_SD_HEADER_5027740891 [mm]
  rect 1.5x1.7 smd: 0(-9.754,14.783) 0(3.74,14.783)
  rect 1.5x1.5 smd: 0(-9.1,-0.1)
  rect 1.7x1.5 smd: 0(3.55,-0.1)
  rect 0.8x1.68 smd: 1(0,0) 2(-1.1,0) 3(-2.2,0) 4(-3.3,0) 5(-4.4,0) 6(-5.5,0) 7(-6.6,0) 8(-7.7,0)
  rect 1.3x1.2 smd: 9(-9.75,1.49) 10(-9.75,8.94)
  round 1.524 on Top Overlay: ""(0.432,1.93)
  silkscreen extent -10.01,0 4.04,15.04, body extent -10.1,-0.68 4.2,15.32, height 1.88
Pile_boutton [mil]
  round 125.98 hole 60: 1(1065,-40) 1(1065,40) 2(0,0)
  silkscreen extent -35,-440 1135,440
Quartz_ABS25 [mil]
  rect 75x50 smd: 1(0,0) 2(220,0) 3(220,125) 4(0,125)
  silkscreen extent -49,-34 268,160
R1206_N [mm] "Chip Resistor, Body 3.2x1.6mm, IPC Medium Density"
  rect 1.3x1.8 smd: 1(-1.45,0) 2(1.45,0)
  silkscreen extent -0.4,-0.8 0.4,0.8, body extent -1.68,-0.87 1.68,0.87, height 0.71
RJ11_6/6 [mm] "Connector; RJ11; 6P/6C; Low Profil; Right Angle; Pin Spacing=2.54mm"
  oval 2.54x2 hole 1.016: 1(0,-5.08) 2(2.54,-3.82) 3(0,-2.54) 4(2.54,-1.27) 5(0,0) 6(2.54,1.27)
  round 4.2 hole 3.175: FIX1(8.89,3.18) FIX2(8.89,-6.98)
  silkscreen extent -1.51,-8.51 16.59,4.7
"RJ11_6/6 - DROIT" [mm] "Connector; RJ11; 6P/6C; Low Profil; Right Angle; Pin Spacing=2.54mm"
  oval 2.54x2 hole 1.016: 1(0,-5.08) 2(2.54,-3.82) 3(0,-2.54) 4(2.54,-1.27) 5(0,0) 6(2.54,1.27)
  round 4.2 hole 3.175: FIX1(8.89,3.18) FIX2(8.89,-6.98)
  silkscreen extent -1.51,-9.02 16.03,5, body extent -8.68,-37.41 15.43,5.08, height 16.38
SO8_N [mm] "8-Pin Small Outline Integrated Circuit 1.27 mm Pitch, IPC Medium Density"
  oval 2.2x0.6 smd: 1(-2.4,1.905) 2(-2.4,0.635) 3(-2.4,-0.635) 4(-2.4,-1.905) 5(2.4,-1.905) 6(2.4,-0.635) 7(2.4,0.635) 8(2.4,1.905)
  silkscreen extent -2.52,-2.5 0.9,2.88, body extent -1.95,-2.45 1.95,2.45, height 1.75
SOT23-3N [mm] "SOT23, 3-Leads, Body 2.9x1.3mm, Pitch 0.95mm, Lead Span 2.5mm, IPC Medium Density"
  rect 1.5x0.6 smd: 1(-0.95,0.95) 2(-0.95,-0.95) 3(0.95,0)
  silkscreen extent -1.07,-1.5 0.7,1.92, body extent -1.24,-1.5 1.23,1.5, height 1.1
SOT23-5AN [mm] "SOT23, 5-Leads, Body 2.9x1.6mm, Pitch 0.95mm, Lead Span 2.8mm, IPC Medium Density"
  rect 1.1x0.65 smd: 1(-1.2,0.95) 2(-1.2,0) 3(-1.2,-0.95) 4(1.2,-0.95) 5(1.2,0.95)
  silkscreen extent -1.32,-1.55 0.25,1.95, body extent -1.4,-1.65 1.4,1.45, height 1.45
STM32_F4DISCOVERY [mm] "KIT DE DEVELOPPEMENT"
  rect 1.6x1.6 hole 1.016: 1(0,0) 51(50.8,0)
  round 1.6 hole 1.016: 2(2.54,0) 3(0,-2.54) 4(2.54,-2.54) 5(0,-5.08) 6(2.54,-5.08) 7(0,-7.62) 8(2.54,-7.62) 9(0,-10.16) 10(2.54,-10.16) 11(0,-12.7) 12(2.54,-12.7) 13(0,-15.24) 14(2.54,-15.24) 15(0,-17.78) 16(2.54,-17.78) 17(0,-20.32) 18(2.54,-20.32) 19(0,-22.86) 20(2.54,-22.86) 21(0,-25.4) 22(2.54,-25.4) 23(0,-27.94) 24(2.54,-27.94) 25(0,-30.48) 26(2.54,-30.48) 27(0,-33.02) 28(2.54,-33.02) 29(0,-35.56) 30(2.54,-35.56) 31(0,-38.1) 32(2.54,-38.1) 33(0,-40.64) 34(2.54,-40.64) 35(0,-43.18) 36(2.54,-43.18) 37(0,-45.72) 38(2.54,-45.72) 39(0,-48.26) 40(2.54,-48.26) 41(0,-50.8) 42(2.54,-50.8) 43(0,-53.34) 44(2.54,-53.34) 45(0,-55.88) 46(2.54,-55.88) 47(0,-58.42) 48(2.54,-58.42) 49(0,-60.96) 50(2.54,-60.96) 52(53.34,0) 53(50.8,-2.54) 54(53.34,-2.54) 55(50.8,-5.08) 56(53.34,-5.08) 57(50.8,-7.62) 58(53.34,-7.62) 59(50.8,-10.16) 60(53.34,-10.16) 61(50.8,-12.7) 62(53.34,-12.7) 63(50.8,-15.24) 64(53.34,-15.24) 65(50.8,-17.78) 66(53.34,-17.78) 67(50.8,-20.32) 68(53.34,-20.32) 69(50.8,-22.86) 70(53.34,-22.86) 71(50.8,-25.4) 72(53.34,-25.4) 73(50.8,-27.94) 74(53.34,-27.94) 75(50.8,-30.48) 76(53.34,-30.48) 77(50.8,-33.02) 78(53.34,-33.02) 79(50.8,-35.56) 80(53.34,-35.56) 81(50.8,-38.1) 82(53.34,-38.1) 83(50.8,-40.64) 84(53.34,-40.64) 85(50.8,-43.18) 86(53.34,-43.18) 87(50.8,-45.72) 88(53.34,-45.72) 89(50.8,-48.26) 90(53.34,-48.26) 91(50.8,-50.8) 92(53.34,-50.8) 93(50.8,-53.34) 94(53.34,-53.34) 95(50.8,-55.88) 96(53.34,-55.88) 97(50.8,-58.42) 98(53.34,-58.42) 99(50.8,-60.96) 100(53.34,-60.96)
  silkscreen extent -6.33,-63.18 59.67,33.82, body extent -6.26,-67.19 59.74,34.86, height 24.97
"SW_UNIPOL_DROIT - APEM 18235" [mil]
  round 120 hole 60: COMMON1(140,250) NC1(140,435.04) NO1(140,64.96)
  silkscreen extent 2,0 278,500, body extent -10,4 285,496, height 449
"Switch 6x6 Vertical" [mm]
  rect 1.6x1.6 hole 1.016: 1(0,0)
  round 1.6 hole 1.016: 2(6.5,0) 3(0,-4.5) 4(6.5,-4.5)
  silkscreen extent 1.07,-5.31 5.46,0.86, body extent -0.71,-5.34 7.19,0.86, height 7
TRIMMER_MONOTOUR_PT10LV [mil] "RESISTANCE VARIABLE MONOTOUR  PT10LV; DIMENSIONS : 10.16mm x 5.08mm"
  round 150 hole 60: 1(0,0) 2(100,400) 3(200,0)
  silkscreen extent -100,0 300,400, body extent -102,-9 303,408, height 246
USB_A_C [mm] "USB ; TYPE A ; COUDE ; PAS = 2 mm / 2.5 mm & 13.14 mm"
  oval 1.7x2 hole 1.016: 1(3.07,2.71) 2(5.57,2.71) 3(7.57,2.71) 4(10.07,2.71)
  round 5 hole 3.175: FIX1(0,0) FIX2(13.14,0)
  silkscreen extent -1.4,-10.5 14.6,5, body extent -1.31,-10.42 14.49,3.74, height 2.9